# Altium PCB VOU_SOM_CV_V0.0.1.PcbDoc (part 2 of 3) (continued)
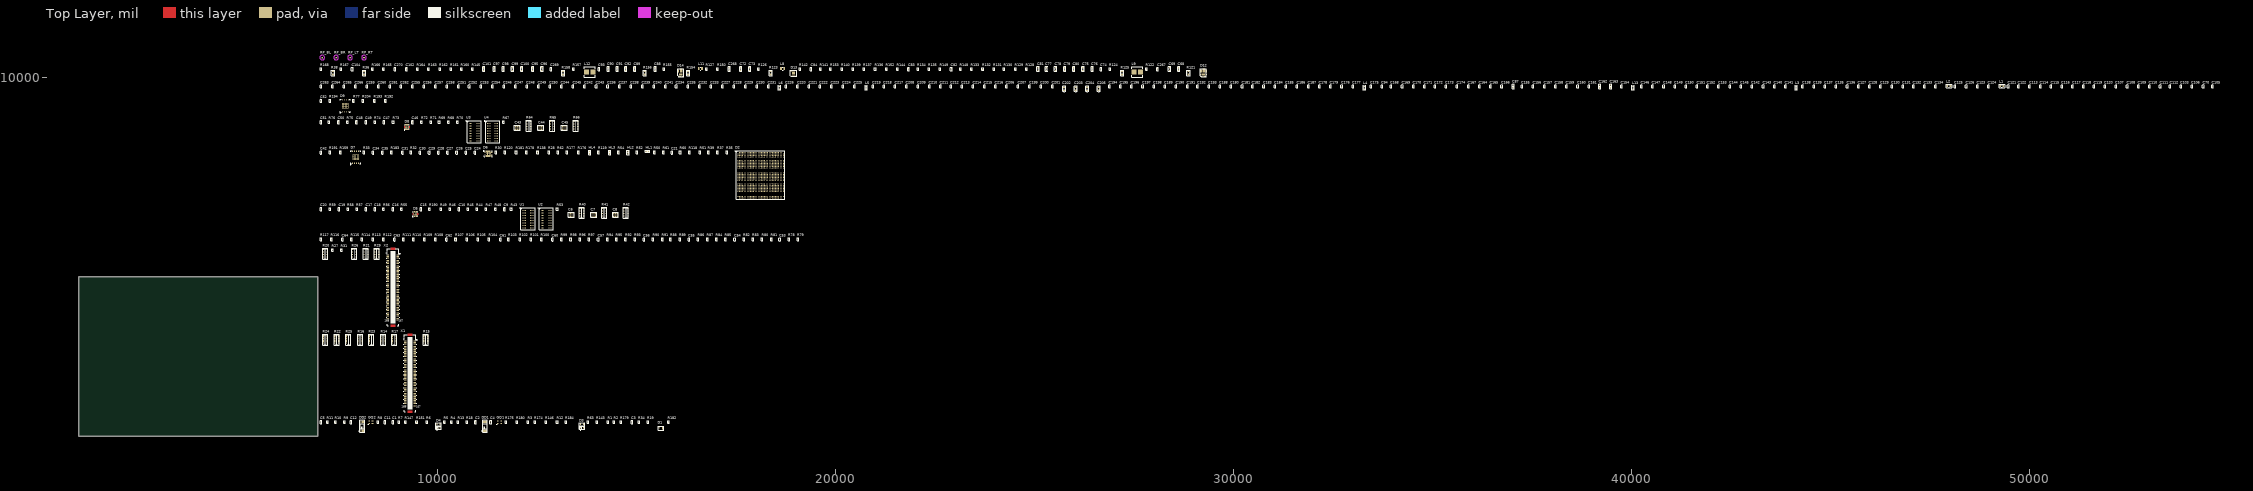
[diagram p0: Top Layer view]
## Footprints (in the part's own frame and the unit in brackets; to place one, negate y for a bottom-side part, rotate by r counter-clockwise, add the part's x,y. Pads: shape width x height; smd on the part's side, far side on the other; paste and mask are expansions set on the pad) (continued)
  Top Layer region: 0.11,1.2 0.11,1.7 0.39,1.7 0.39,1.2
  Top Layer region: -0.11,-1.2 -0.11,-1.7 -0.39,-1.7 -0.39,-1.2
  Top Layer region: 0.11,-1.2 0.11,-1.7 0.39,-1.7 0.39,-1.2
  Top Layer region: -0.11,1.2 -0.11,1.7 -0.39,1.7 -0.39,1.2
  silkscreen extent -2,-1.55 1.55,1.6, body extent -1.5,-1.5 1.5,1.5, height 1
TSSOP-8 [mm] "TSOP, 8-Leads, Body 3.0x4.4mm, Pitch 0.65mm, IPC Medium Density"
  rect 1.7x0.3 smd: 1(-2.85,0.975)
  oval 1.7x0.3 smd: 2(-2.85,0.325) 3(-2.85,-0.325) 4(-2.85,-0.975) 5(2.85,-0.975) 6(2.85,-0.325) 7(2.85,0.325) 8(2.85,0.975)
  silkscreen extent -4,-1.55 4,2.17, body extent -3.2,-1.5 3.2,1.5, height 1.2

## Part data
C1 C2 C3 C4 C5 C9 C10 C11 C12 C15 C16 C17 C18 C19 C20 C21 C24 C25 C26 C27 C28 C29 C30 C31 C34 C35 C42 C46 C47 C48 C49 C50 C51 C52 C53 C54 C55 C56 C57 C60 C61 C62 C63 C64 C70 C74 C82 C83 C84 C93 C94 C102 C103 C104 C105 C106 C107 C108 C109 C110 C111 C112 C113 C114 C115 C116 C117 C118 C119 C120 C121 C122 C123 C124 C125 C126 C127 C128 C129 C130 C131 C132 C133 C134 C135 C136 C137 C138 C139 C140 C141 C142 C143 C144 C145 C146 C147 C148 C149 C150 C151 C152 C153 C154 C155 C156 C157 C158 C159 C160 C161 C164 C165 C166 C167 C168 C169 C170 C171 C172 C173 C174 C175 C176 C177 C178 C179 C180 C181 C182 C183 C184 C185 C186 C187 C188 C189 C190 C191 C192 C193 C194 C195 C196 C197 C198 C199 C200 C201 C206 C207 C208 C209 C210 C211 C212 C213 C214 C215 C216 C217 C218 C219 C220 C221 C222 C223 C224 C225 C226 C227 C228 C229 C230 C231 C232 C233 C234 C235 C236 C237 C238 C239 C240 C241 C242 C243 C244 C245 C246 C247 C248 C249 C250 C251 C252 C253 C254 C255 C256 C257 C258 C259 C260 C261 C262 C263 C264 C265 C266 C267 C269 C270: library part CC0402-X7R-#-20%-10В, "Чип конденсатор керамический"
C6 C7 C8 C43 C44 C45: "Чип конденсатор керамический"
C68 C69 C72 C73 C75 C76 C77 C78 C79 C80 C81 C87 C88 C89 C90 C91 C92 C95 C96 C97 C98 C99 C100 C101 C162 C163 C268: library part CC0603-X5R-#-20%-6,3В, "Чип конденсатор керамический"
C202 C203 C204 C205: library part CC0805-X7R-#-20%-25В, "Чип конденсатор керамический"
D1: library part IC_TI_SN74LVC2G07, "Dual Buffer and Driver With Open-Drain Outputs"
D2: "Cyclone V SX Family FPGA, 1.07 to 1.13 V Supply, 288 I/O Pins, 6 PLLs, 896-Pin FBGA, Speed Grade 7, Industrial Grade, RoHS Compliant"
D3 D4: library part IC_AD_ADM811TARTZ, "Microprocessor Supervisory Circuit in 3-Pin SOT-23"
D5 D8: "Single Output LDO, 3 A, 2.375 to 3.5 V Input, with DDR Termination, 10-pin SON (DRC), -40 to 85 degC, Green (RoHS & no Sb/Br)"
D6: "8-Bit Bidirectional Voltage-Level Translator with Auto Direction Sensing and +/-15-kV ESD Protect, VQFN-20 LARGE T&R"
D7 D9: "512 Mb (x1/x2/x4) Serial NOR Flash Memory with Multi I/O, 108 MHz, 2.7 to 3.6 V, 16-pin SO16 Wide (SF), Tape & Reel"
D12 D14: library part IR3859MPbF, "IC REG BUCK ADJ 9A SYNC 17PQFN"
DD1 DD2: "High-Performance  Clock Buffer 1:4"
GQ1 GQ2: library part OSC-ABRCN-ASE3, "Dual High Side Switch With OC_DET 500mA/CH"
HL1: "Светодиод красный SMD0603"
HL2: "Светодиод желтый SMD0603"
HL3 HL4: "Светодиод зеленый SMD0603"
L1 L2: library part BLM21, "Чип индуктивность подавления EMP"
L3 L4 L5 L6 L13: library part BLM18, "Чип индуктивность подавления EMP"
L8 L11: library part L_VISH_IIHHP1008ABE_1, "FIXED IND 1.5UH 2.4A 96 MOHM SMD"
L9 L12: library part L_VISH_IHLP2525CZERR68M01, "FIXED IND 680NH 15.5A 5.5 MOHM"
R1 R2 R3 R4 R5 R6 R7 R8 R9 R10 R11 R12 R13 R18 R19 R27 R28 R30 R31 R32 R33 R34 R35 R37 R39 R43 R44 R45 R46 R47 R48 R49 R50 R51 R52 R53 R54 R55 R56 R57 R58 R59 R60 R61 R62 R63 R67 R68 R69 R70 R71 R72 R73 R74 R75 R76 R77 R78 R79 R80 R81 R82 R83 R84 R85 R86 R87 R88 R89 R90 R91 R92 R93 R94 R95 R96 R97 R98 R99 R100 R101 R102 R103 R104 R105 R106 R107 R108 R109 R110 R111 R112 R113 R114 R115 R116 R117 R118 R119 R120 R131 R134 R135 R136 R138 R139 R141 R143 R144 R146 R147 R148 R149 R150 R151 R152 R153 R163 R168 R174 R175 R176 R177 R178 R179 R180 R181 R182 R183 R184 R190 R191 R192 R193 R194 R204: library part CR0402-#-±5%, "Чип резистор"
R14 R15 R16 R17 R20 R21 R22 R23 R24 R25 R26 R29 R40 R41 R42 R64 R65 R66: library part YC248-JR-07-#, "Набор чип резисторов"
R36 R38 R121 R123 R125 R154 R156 R158: library part CR0805-#-±5%, "Чип резистор"
R122 R124 R126 R127 R128 R129 R130 R132 R133 R137 R140 R142 R145 R155 R157 R159 R160 R161 R162 R164 R165 R166 R167: library part CR0402-#-±1%, "Чип резистор"
RP_BL RP_BR RP_LT RP_RT: library part Reper, "Стабилизатор положительного напряжения"
U1 U2 U3 U4: "4Gb DDR3-1600 SDRAM, 256Mb x 16, 1.25ns, 1.35V, -40 to 95 degC, 96-Ball FBGA, Pb-Free"

## Via types
v1: diameter 19.68, hole 7.87, Top Layer to Bottom Layer, 38 vias

## Nets (pads, with @x,y where several pads share a name; then routed paths per layer and width w, separated by ;. In a path a pad name is that pad's centre, name@x,y a point inside that pad or via, vN(x,y) a via of type N, cw(c..) or ccw(c..) an arc to the next point about the centre after c; other vN are vias at no path point)
1V1_PEN: D14.15 R135.2
1V1_POK: D14.8 R149.1
1V5_PEN: D13.15 R141.2
1V5_POK: D13.13 R153.1
2V5_PEN: D13.11 R136.2
2V5_POK: D13.1 R152.1
3V3_POK: D12.8 R134.1
CVP_CD: D2.AH29 R51.2
DBG_LED#0: D2.AG27 HL1.2
DBG_LED#1: D2.AJ29 HL2.2
DBG_LED#2: D2.AC28 D2.AE26 HL3.2
DBG_LED#3: D2.AC29 D2.AD7 HL4.2
DDR3_VREF_FPGA: C15.1 C167.1 D2.AJ15 D2.AK17 D5.6 U1.H1 U1.M8 U2.H1 U2.M8
DDR3_VREF_HPS: C46.1 D2.G27 D2.U30 D8.6 U3.H1 U3.M8 U4.H1 U4.M8
DDR3_VTT_FPGA: C6.5 C6.6 C6.7 C6.8 C7.5 C7.6 C7.7 C7.8 C8.5 C8.6 C8.7 C8.8 C17.1 C18.1 D5.3 D5.5 R40.9 R40.10 R40.11 R40.12 R40.13 R40.14 R40.15 R40.16 R41.9 R41.10 R41.11 R41.12 R41.13 R41.14 R41.15 R41.16 R42.9 R42.10 R42.11 R42.12 R42.13 R42.14 R42.15 R42.16
DDR3_VTT_HPS: C43.5 C43.6 C43.7 C43.8 C44.5 C44.6 C44.7 C44.8 C45.5 C45.6 C45.7 C45.8 C48.1 C49.1 D8.3 D8.5 R64.9 R64.10 R64.11 R64.12 R64.13 R64.14 R64.15 R64.16 R65.9 R65.10 R65.11 R65.12 R65.13 R65.14 R65.15 R65.16 R66.9 R66.10 R66.11 R66.12 R66.13 R66.14 R66.15 R66.16
DEV_CLR: D2.AD27 R143.2
EPCQ_CK: D2.U7 D6.7
EPCQ_CK_: D6.14 R191.2
EPCQ_CS#: D2.AB8 D6.6
EPCQ_CS#_: D6.15 D7.1
EPCQ_D0: D2.AE6 D6.1
EPCQ_D0_: D6.20 D7.5
EPCQ_D1: D2.AE5 D6.3
EPCQ_D1_: D6.18 D7.7
EPCQ_D2: D2.AE8 D6.4
EPCQ_D2_: D6.17 D7.3
EPCQ_D3: D2.AC7 D6.5
EPCQ_D3_: D6.16 D7.2
EXT_PEN: R139.1 X1.117
EXT_RST#: R1.1 R146.1 X1.115
FPGA_CFG2V5_IO_0: D2.A4 R29.9
FPGA_CFG2V5_IO_1: D2.A3 R29.10
FPGA_CFG2V5_IO_2: D2.D6 R29.11
FPGA_CFG2V5_IO_3: D2.C5 R29.12
FPGA_CFG2V5_IO_4: D2.D5 R29.13
FPGA_CFG2V5_IO_5: D2.C4 R29.14
FPGA_CFG2V5_IO_6: D2.E8 R29.15
FPGA_CFG2V5_IO_7: D2.D7 R29.16
FPGA_CFG2V5_IO_8: D2.B2 R21.9
FPGA_CFG2V5_IO_9: D2.B1 R21.10
FPGA_CFG2V5_IO_10: D2.C3 R21.11
FPGA_CFG2V5_IO_11: D2.B3 R21.12
FPGA_CFG2V5_IO_12: D2.D2 R21.13
FPGA_CFG2V5_IO_13: D2.C2 R21.14
FPGA_CFG2V5_IO_14: D2.E4 R21.15
FPGA_CFG2V5_IO_15: D2.D4 R21.16
FPGA_CFG2V5_IO_16: D2.E3 R26.9
FPGA_CFG2V5_IO_17: D2.E2 R26.10
FPGA_CFG2V5_IO_18: D2.E1 R26.11
FPGA_CFG2V5_IO_19: D2.D1 R26.12
FPGA_CFG2V5_IO_20: D2.E7 R26.13
FPGA_CFG2V5_IO_21: D2.E6 R26.14
FPGA_CFG2V5_IO_22: D2.G7 R26.15
FPGA_CFG2V5_IO_23: D2.F6 R26.16
FPGA_CFG2V5_IO_24: D2.AF29 R20.8
FPGA_CFG2V5_IO_25: D2.AF30 R20.7
FPGA_CFG2V5_IO_26: D2.AA25 R20.6
FPGA_CFG2V5_IO_27: D2.AB26 R20.5
FPGA_CFG2V5_IO_28: D2.AD11
FPGA_CFG2V5_IO_29: D2.AE12
FPGA_CFG2V5_IO_30: D2.AC9
FPGA_CFG2V5_IO_31: D2.AD10
FPGA_CFG2V5_IO_32: D2.AG1
FPGA_CFG2V5_IO_33: D2.AH2
FPGA_CFG2V5_IO_34: D2.AA12
FPGA_CFG2V5_IO_35: D2.AB12
FPGA_CFG2V5_IO_36: D2.AJ1
FPGA_CFG2V5_IO_37: D2.AJ2
FPGA_CFG2V5_IO_38: D2.AD9
FPGA_CFG2V5_IO_39: D2.AE9
FPGA_CFG2V5_IO_40: D2.AE11
FPGA_CFG2V5_IO_41: D2.AF10
FPGA_CFG2V5_IO_42: D2.AG3
FPGA_CFG2V5_IO_43: D2.AH4
FPGA_CFG2V5_IO_44: D2.AF8
FPGA_CFG2V5_IO_45: D2.AG7
FPGA_CFG2V5_IO_46: D2.AF6
FPGA_CFG2V5_IO_47: D2.AG6
FPGA_CFG2V5_IO_R_0: R29.8 X2.45
FPGA_CFG2V5_IO_R_1: R29.7 X2.47
FPGA_CFG2V5_IO_R_2: R29.6 X2.49
FPGA_CFG2V5_IO_R_3: R29.5 X2.51
FPGA_CFG2V5_IO_R_4: R29.4 X2.55
FPGA_CFG2V5_IO_R_5: R29.3 X2.57
FPGA_CFG2V5_IO_R_6: R29.2 X2.59
FPGA_CFG2V5_IO_R_7: R29.1 X2.61
FPGA_CFG2V5_IO_R_8: R21.8 X2.65
FPGA_CFG2V5_IO_R_9: R21.7 X2.67
FPGA_CFG2V5_IO_R_10: R21.6 X2.69
FPGA_CFG2V5_IO_R_11: R21.5 X2.71
FPGA_CFG2V5_IO_R_12: R21.4 X2.75
FPGA_CFG2V5_IO_R_13: R21.3 X2.77
FPGA_CFG2V5_IO_R_14: R21.2 X2.46
FPGA_CFG2V5_IO_R_15: R21.1 X2.48
FPGA_CFG2V5_IO_R_16: R26.8 X2.50
FPGA_CFG2V5_IO_R_17: R26.7 X2.52
FPGA_CFG2V5_IO_R_18: R26.6 X2.56
FPGA_CFG2V5_IO_R_19: R26.5 X2.58
FPGA_CFG2V5_IO_R_20: R26.4 X2.60
FPGA_CFG2V5_IO_R_21: R26.3 X2.62
FPGA_CFG2V5_IO_R_22: R26.2 X2.66
FPGA_CFG2V5_IO_R_23: R26.1 X2.68
FPGA_CFG2V5_IO_R_24: R20.9 X2.70
FPGA_CFG2V5_IO_R_25: R20.10 X2.72
FPGA_CFG2V5_IO_R_26: R20.11 X2.76
FPGA_CFG2V5_IO_R_27: R20.12 X2.78
FPGA_DDR_A0: D2.AJ14 R40.8 U1.N3 U2.N3
FPGA_DDR_A1: D2.AK14 R40.7 U1.P7 U2.P7
FPGA_DDR_A2: D2.AH12 R40.6 U1.P3 U2.P3
FPGA_DDR_A3: D2.AJ12 R40.5 U1.N2 U2.N2
FPGA_DDR_A4: D2.AG15 R40.4 U1.P8 U2.P8
FPGA_DDR_A5: D2.AH15 R40.3 U1.P2 U2.P2
FPGA_DDR_A6: D2.AK12 R40.2 U1.R8 U2.R8
FPGA_DDR_A7: D2.AK13 R40.1 U1.R2 U2.R2
FPGA_DDR_A8: D2.AH13 R41.7 U1.T8 U2.T8
FPGA_DDR_A9: D2.AH14 R41.8 U1.R3 U2.R3
FPGA_DDR_A10: D2.AJ9 R41.6 U1.L7 U2.L7
FPGA_DDR_A11: D2.AK9 R41.5 U1.R7 U2.R7
FPGA_DDR_A12: D2.AK7 R41.4 U1.N7 U2.N7
FPGA_DDR_A13: D2.AK8 R41.3 U1.T3 U2.T3
FPGA_DDR_A14: D2.AG12 R41.2 U1.T7 U2.T7
FPGA_DDR_BA0: D2.AH10 R41.1 U1.M2 U2.M2
FPGA_DDR_BA1: D2.AJ11 R42.8 U1.N8 U2.N8
FPGA_DDR_BA2: D2.AK11 R42.7 U1.M3 U2.M3
FPGA_DDR_CAS#: D2.AH7 R42.4 U1.K3 U2.K3
FPGA_DDR_CK_H_N: D2.AA15 R53.1 U1.K7 U2.K7
FPGA_DDR_CK_H_P: D2.AA14 R53.2 U1.J7 U2.J7
FPGA_DDR_CKE: D2.AJ21 R42.6 R190.2 U1.K9 U2.K9
FPGA_DDR_CS#: D2.AB15 R42.2 U1.L2 U2.L2
FPGA_DDR_D0: D2.AF18 U2.E3
FPGA_DDR_D1: D2.AE17 U2.F7
FPGA_DDR_D2: D2.AG16 U2.F2
FPGA_DDR_D3: D2.AF16 U2.F8
FPGA_DDR_D4: D2.AH20 U2.H3
FPGA_DDR_D5: D2.AG21 U2.H8
FPGA_DDR_D6: D2.AJ16 U2.G2
FPGA_DDR_D7: D2.AH18 U2.H7
FPGA_DDR_D8: D2.AK18 U2.D7
FPGA_DDR_D9: D2.AJ17 U2.C3
FPGA_DDR_D10: D2.AG18 U2.C8
FPGA_DDR_D11: D2.AK19 U2.C2
FPGA_DDR_D12: D2.AG20 U2.A7
FPGA_DDR_D13: D2.AF19 U2.A2
FPGA_DDR_D14: D2.AJ20 U2.B8
FPGA_DDR_D15: D2.AH24 U2.A3
FPGA_DDR_D16: D2.AE19 U1.E3
FPGA_DDR_D17: D2.AE18 U1.F7
FPGA_DDR_D18: D2.AG22 U1.F2
FPGA_DDR_D19: D2.AK22 U1.F8
FPGA_DDR_D20: D2.AF21 U1.H3
FPGA_DDR_D21: D2.AF20 U1.H8
FPGA_DDR_D22: D2.AH23 U1.G2
FPGA_DDR_D23: D2.AK24 U1.H7
FPGA_DDR_D24: D2.AF24 U1.D7
FPGA_DDR_D25: D2.AF23 U1.C3
FPGA_DDR_D26: D2.AJ24 U1.C8
FPGA_DDR_D27: D2.AK26 U1.C2
FPGA_DDR_D28: D2.AE23 U1.A7
FPGA_DDR_D29: D2.AE22 U1.A2
FPGA_DDR_D30: D2.AG25 U1.B8
FPGA_DDR_D31: D2.AK27 U1.A3
FPGA_DDR_DM0: D2.AH17 U2.E7
FPGA_DDR_DM1: D2.AG23 U2.D3
FPGA_DDR_DM2: D2.AK23 U1.E7
FPGA_DDR_DM3: D2.AJ27 U1.D3
FPGA_DDR_DQS0_N: D2.W16 U2.G3
FPGA_DDR_DQS0_P: D2.V16 U2.F3
FPGA_DDR_DQS1_N: D2.W17 U2.B7
FPGA_DDR_DQS1_P: D2.V17 U2.C7
FPGA_DDR_DQS2_N: D2.AA18 U1.G3
FPGA_DDR_DQS2_P: D2.Y17 U1.F3
FPGA_DDR_DQS3_N: D2.AD19 U1.B7
FPGA_DDR_DQS3_P: D2.AC20 U1.C7
FPGA_DDR_ODT: D2.AE16 R42.1 U1.K1 U2.K1
FPGA_DDR_RAS#: D2.AH8 R42.3 U1.J3 U2.J3
FPGA_DDR_RST#: D2.AK21 R49.2 U1.T2 U2.T2
FPGA_DDR_WE#: D2.AJ6 R42.5 U1.L3 U2.L3
GND: C6.1 C6.2 C6.3 C6.4 C7.1 C7.2 C7.3 C7.4 C8.1 C8.2 C8.3 C8.4 C15.2 C16.2 C17.2 C18.2 C19.2 C20.2 C34.1 C35.1 C42.1 C43.1 C43.2 C43.3 C43.4 C44.1 C44.2 C44.3 C44.4 C45.1 C45.2 C45.3 C45.4 C46.2 C47.2 C48.2 C49.2 C50.2 C51.2 C52.1 C53.1 C54.1 C55.1 C56.1 C57.1 C60.1 C61.1 C62.1 C63.1 C64.1 C68.2 C69.2 C70.1 C72.2 C73.2 C75.2 C76.2 C77.2 C78.2 C79.2 C80.2 C81.1 C87.2 C88.2 C89.2 C90.2 C91.2 C92.2 C94.2 C95.2 C96.2 C97.2 C98.2 C99.2 C100.2 C101.1 C103.1 C105.1 C106.1 C107.1 C108.1 C109.1 C110.1 C111.1 C112.2 C113.1 C114.1 C115.1 C116.1 C117.1 C118.1 C119.1 C120.1 C121.1 C122.1 C123.1 C124.1 C125.1 C126.1 C127.1 C128.1 C129.1 C130.1 C131.1 C132.1 C133.1 C134.1 C135.1 C136.1 C137.2 C138.1 C139.1 C140.1 C141.1 C142.1 C143.1 C144.1 C145.1 C146.1 C147.1 C148.1 C149.1 C150.1 C151.1 C152.1 C153.1 C154.2 C155.1 C156.1 C157.1 C158.1 C159.1 C160.1 C161.1 C162.2 C163.2 C164.1 C165.1 C166.1 C167.2 C168.2 C169.2 C170.2 C171.2 C172.2 C173.2 C174.2 C175.2 C176.1 C177.1 C178.1 C179.1 C180.2 C181.2 C182.2 C183.2 C184.2 C185.2 C186.2 C187.2 C188.2 C189.2 C190.2 C191.2 C192.2 C193.2 C194.1 C195.1 C196.1 C197.1 C198.1 C199.1 C200.1 C201.1 C202.2 C203.2 C204.2 C205.2 C206.1 C207.1 C208.1 C209.1 C210.1 C211.1 C212.1 C213.1 C214.1 C215.1 C216.1 C217.1 C218.1 C219.1 C220.1 C221.1 C222.1 C223.1 C224.1 C225.1 C226.1 C227.2 C228.2 C230.1 C231.1 C232.1 C233.1 C234.1 C235.1 C236.1 C237.1 C238.1 C239.1 C240.1 C241.1 C242.1 C243.1 C244.1 C245.1 C246.2 C247.2 C249.1 C250.1 C251.1 C252.1 C253.1 C254.1 C255.1 C256.1 C257.1 C258.1 C259.1 C260.1 C261.1 C262.1 C263.1 C264.1 C265.1 C266.1 C268.2 D2.A2 D2.A12 D2.A17 D2.A22 D2.A26 D2.A27 D2.AA3 D2.AA4 D2.AA6 D2.AA9 D2.AA11 D2.AA22 D2.AA29 D2.AB1 D2.AB2 D2.AB5 D2.AB7 D2.AB19 D2.AB27 D2.AB29 D2.AC3 D2.AC4 D2.AC6 D2.AC8 D2.AC16 D2.AC24 D2.AC26 D2.AD1 D2.AD2 D2.AD5 D2.AD6 D2.AD23 D2.AE3 D2.AE4 D2.AE10 D2.AE20 D2.AF1 D2.AF2 D2.AF3 D2.AF12 D2.AF15 D2.AF17 D2.AF27 D2.AG9 D2.AG14 D2.AG24 D2.AH1 D2.AH6 D2.AH11 D2.AH21 D2.AH28 D2.AJ3 D2.AJ7 D2.AJ10 D2.AJ18 D2.AJ22 D2.AJ28 D2.AJ30 D2.AK5 D2.AK15 D2.AK25 D2.B9 D2.B10 D2.B14 D2.B19 D2.B24 D2.B29 D2.C1 D2.C6 D2.C16 D2.C21 D2.C26 D2.D3 D2.D13 D2.D23 D2.D26 D2.E10 D2.E22 D2.E25 D2.E30 D2.F2 D2.F5 D2.F7 D2.F17 D2.F27 D2.G3 D2.G4 D2.G5 D2.G24 D2.H1 D2.H2 D2.H5 D2.H11 D2.J3 D2.J4 D2.J6 D2.J8 D2.J18 D2.J22 D2.J28 D2.K1 D2.K2 D2.K5 D2.K10 D2.K15 D2.K20 D2.K25 D2.L3 D2.L4 D2.L6 D2.L11 D2.L13 D2.L15 D2.L17 D2.L19 D2.L22 D2.M1 D2.M2 D2.M5 D2.M7 D2.M8 D2.M10 D2.M12 D2.M14 D2.M16 D2.M18 D2.M20 D2.M29 D2.N3 D2.N4 D2.N6 D2.N8 D2.N9 D2.N11 D2.N13 D2.N15 D2.N17 D2.N19 D2.N26 D2.P1 D2.P2 D2.P5 D2.P7 D2.P10 D2.P12 D2.P14 D2.P16 D2.P18 D2.P20 D2.R3 D2.R4 D2.R6 D2.R8 D2.R9 D2.R11 D2.R13 D2.R15 D2.R17 D2.R30 D2.T1 D2.T2 D2.T5 D2.T7 D2.T10 D2.T12 D2.T14 D2.T15 D2.T16 D2.T18 D2.T20 D2.T27 D2.U3 D2.U4 D2.U6 D2.U9 D2.U11 D2.U13 D2.U15 D2.U17 D2.U22 D2.U24 D2.U29 D2.V1 D2.V2 D2.V5 D2.V7 D2.V10 D2.V12 D2.V14 D2.V19 D2.V21 D2.W3 D2.W4 D2.W6 D2.W9 D2.W11 D2.W13 D2.W18 D2.W28 D2.Y1 D2.Y2 D2.Y5 D2.Y7 D2.Y8 D2.Y10 D2.Y12 D2.Y14 D2.Y15 D2.Y20 D2.Y25 D2.Y30 D5.4 D5.8 D5.11 D6.11 D7.4 D8.4 D8.8 D8.11 D9.4 D12.11 D13.14 D14.11 R28.1 R30.1 R32.1 R33.1 R44.2 R46.2 R47.2 R48.2 R57.2 R59.1 R61.2 R62.1 R68.2 R69.1 R70.2 R72.1 R76.1 R124.1 R127.1 R138.1 R150.1 R157.1 R159.2 R163.1 R168.1 R190.1 U1.A9 U1.B1 U1.B3 U1.B9 U1.D1 U1.D8 U1.E1 U1.E2 U1.E8 U1.F9 U1.G1 U1.G8 U1.G9 U1.J2 U1.J8 U1.M1 U1.M9 U1.P1 U1.P9 U1.T1 U1.T9 U2.A9 U2.B1 U2.B3 U2.B9 U2.D1 U2.D8 U2.E1 U2.E2 U2.E8 U2.F9 U2.G1 U2.G8 U2.G9 U2.J2 U2.J8 U2.M1 U2.M9 U2.P1 U2.P9 U2.T1 U2.T9 U3.A9 U3.B1 U3.B3 U3.B9 U3.D1 U3.D8 U3.E1 U3.E2 U3.E8 U3.F9 U3.G1 U3.G8 U3.G9 U3.J2 U3.J8 U3.M1 U3.M9 U3.P1 U3.P9 U3.T1 U3.T9 U4.A9 U4.B1 U4.B3 U4.B9 U4.D1 U4.D8 U4.E1 U4.E2 U4.E8 U4.F9 U4.G1 U4.G8 U4.G9 U4.J2 U4.J8 U4.M1 U4.M9 U4.P1 U4.P9 U4.T1 U4.T9 X1.8 X1.9 X1.12 X1.13 X1.16 X1.17 X1.20 X1.21 X1.24 X1.25 X1.28 X1.29 X1.32 X1.33 X1.36 X1.37 X1.40 X1.41 X1.44 X1.45 X1.48 X1.49 X1.75 X1.76 X1.85 X1.86 X1.95 X1.96 X1.97 X1.101 X1.105 X1.109 X1.113 X1.120 X1.121 X1.146 X1.151 X2.1 X2.4 X2.5 X2.8 X2.9 X2.12 X2.13 X2.16 X2.17 X2.20 X2.21 X2.24 X2.25 X2.28 X2.29 X2.32 X2.33 X2.36 X2.37 X2.40 X2.41 X2.44 X2.87 X2.91 X2.95 X2.99 X2.103 X2.107 X2.111 X2.115 X2.119 X2.123 X2.127 X2.131 X2.135 X2.139 X2.143 X2.147 X2.151 X2.155 X2.159 X2.163 X2.167
  other v1: 9435.31,6560.31 9474.68,6560.31 9435.31,6599.69 9474.68,6599.69 9225.31,8745.31 9264.68,8745.31 9225.31,8784.68 9264.68,8784.68
GND_A: C82.1 D12.4 D12.17 R132.2 R140.1 R142.1 R150.2
GND_B: C102.1 D14.4 D14.17 R162.2 R166.1 R167.1 R168.2
GND_D: D13.4 D13.8 D13.17 R163.2
GXB_REF_CKI_N: D2.T8 X2.120
GXB_REF_CKI_P: D2.T9 X2.124
GXB_REF_CKO_N: D2.W7 X2.121
GXB_REF_CKO_P: D2.W8 X2.125
GXB_RXA0_N: D2.U1 X2.88
GXB_RXA0_P: D2.U2 X2.92
GXB_RXA1_N: D2.R1 X2.96
GXB_RXA1_P: D2.R2 X2.100
GXB_RXA2_N: D2.N1 X2.104
GXB_RXA2_P: D2.N2 X2.108
GXB_RXA3_N: D2.L1 X2.112
GXB_RXA3_P: D2.L2 X2.116
GXB_TXA0_N: C25.2 X2.89
GXB_TXA0_P: C24.2 X2.93
GXB_TXA1_N: C27.2 X2.97
GXB_TXA1_P: C26.2 X2.101
GXB_TXA2_N: C29.2 X2.105
GXB_TXA2_P: C28.2 X2.109
GXB_TXA3_N: C31.2 X2.113
GXB_TXA3_P: C30.2 X2.117
GXB_TXA_C0_N: C25.1 D2.AD3
GXB_TXA_C0_P: C24.1 D2.AD4
GXB_TXA_C1_N: C27.1 D2.AB3
GXB_TXA_C1_P: C26.1 D2.AB4
GXB_TXA_C2_N: C29.1 D2.Y3
GXB_TXA_C2_P: C28.1 D2.Y4
GXB_TXA_C3_N: C31.1 D2.V3
GXB_TXA_C3_P: C30.1 D2.V4
HPS_BSL0: D2.A18 D2.H20 D9.1 R16.11 R63.2 R175.2 R180.1
HPS_BSL2: D2.D20 R174.2
HPS_CAN0_RX: D2.B22 R22.11
HPS_CAN0_RX_R: R22.6 X1.71
HPS_CAN0_TX: D2.G22 R22.12
HPS_CAN0_TX_R: R22.5 X1.73
HPS_CAN1_RX: D2.A24 R22.13
HPS_CAN1_RX_R: R22.4 X1.72
HPS_CAN1_TX: D2.G21 R22.14
HPS_CAN1_TX_R: R22.3 X1.74
HPS_CLK_25_1: D2.D25 R9.2
HPS_CLK_25_2: D2.F25 R10.2
HPS_DDR_A0: D2.F26 R64.8 U3.N3 U4.N3
HPS_DDR_A1: D2.G30 R64.7 U3.P7 U4.P7
HPS_DDR_A2: D2.F28 R64.6 U3.P3 U4.P3
HPS_DDR_A3: D2.F30 R64.5 U3.N2 U4.N2
HPS_DDR_A4: D2.J25 R64.4 U3.P8 U4.P8
HPS_DDR_A5: D2.J27 R64.3 U3.P2 U4.P2
HPS_DDR_A6: D2.F29 R64.2 U3.R8 U4.R8
HPS_DDR_A7: D2.E28 R64.1 U3.R2 U4.R2
HPS_DDR_A8: D2.G26 R65.7 U3.T8 U4.T8
HPS_DDR_A9: D2.H27 R65.8 U3.R3 U4.R3
HPS_DDR_A10: D2.D29 R65.6 U3.L7 U4.L7
HPS_DDR_A11: D2.C30 R65.5 U3.R7 U4.R7
HPS_DDR_A12: D2.B30 R65.4 U3.N7 U4.N7
HPS_DDR_A13: D2.C29 R65.3 U3.T3 U4.T3
HPS_DDR_A14: D2.H25 R65.2 U3.T7 U4.T7
HPS_DDR_BA0: D2.E29 R65.1 U3.M2 U4.M2
HPS_DDR_BA1: D2.J24 R66.8 U3.N8 U4.N8
HPS_DDR_BA2: D2.J23 R66.7 U3.M3 U4.M3
HPS_DDR_CAS#: D2.E27 R66.4 U3.K3 U4.K3
HPS_DDR_CK_H_N: D2.L23 R67.1 U3.K7 U4.K7
HPS_DDR_CK_H_P: D2.M23 R67.2 U3.J7 U4.J7
HPS_DDR_CKE: D2.L29 R66.6 R72.2 U3.K9 U4.K9
HPS_DDR_CS#: D2.H24 R66.2 U3.L2 U4.L2
HPS_DDR_D0: D2.K23 U4.E3
HPS_DDR_D1: D2.K22 U4.F7
HPS_DDR_D2: D2.H30 U4.F2
HPS_DDR_D3: D2.G28 U4.F8
HPS_DDR_D4: D2.L25 U4.H3
HPS_DDR_D5: D2.L24 U4.H8
HPS_DDR_D6: D2.J30 U4.G2
HPS_DDR_D7: D2.J29 U4.H7
HPS_DDR_D8: D2.K26 U4.D7
HPS_DDR_D9: D2.L26 U4.C3
HPS_DDR_D10: D2.K29 U4.C8
HPS_DDR_D11: D2.K27 U4.C2
HPS_DDR_D12: D2.M26 U4.A7
HPS_DDR_D13: D2.M27 U4.A2
HPS_DDR_D14: D2.L28 U4.B8
HPS_DDR_D15: D2.M30 U4.A3
HPS_DDR_D16: D2.U26 U3.E3
HPS_DDR_D17: D2.T26 U3.F7
HPS_DDR_D18: D2.N29 U3.F2
HPS_DDR_D19: D2.N28 U3.F8
HPS_DDR_D20: D2.P26 U3.H3
HPS_DDR_D21: D2.P27 U3.H8
HPS_DDR_D22: D2.N27 U3.G2
HPS_DDR_D23: D2.R29 U3.H7
HPS_DDR_D24: D2.P24 U3.D7
HPS_DDR_D25: D2.P25 U3.C3
HPS_DDR_D26: D2.T29 U3.C8
HPS_DDR_D27: D2.T28 U3.C2
HPS_DDR_D28: D2.R27 U3.A7
HPS_DDR_D29: D2.R26 U3.A2
HPS_DDR_D30: D2.V30 U3.B8
HPS_DDR_D31: D2.W29 U3.A3
HPS_DDR_DM0: D2.K28 U4.E7
HPS_DDR_DM1: D2.M28 U4.D3
HPS_DDR_DM2: D2.R28 U3.E7
HPS_DDR_DM3: D2.W30 U3.D3
HPS_DDR_DQS0_N: D2.M19 U4.G3
HPS_DDR_DQS0_P: D2.N18 U4.F3
HPS_DDR_DQS1_N: D2.N24 U4.B7
HPS_DDR_DQS1_P: D2.N25 U4.C7
HPS_DDR_DQS2_N: D2.R18 U3.G3
HPS_DDR_DQS2_P: D2.R19 U3.F3
HPS_DDR_DQS3_N: D2.R21 U3.B7
HPS_DDR_DQS3_P: D2.R22 U3.C7
HPS_DDR_ODT: D2.H28 R66.1 U3.K1 U4.K1
HPS_DDR_RAS#: D2.D30 R66.3 U3.J3 U4.J3
HPS_DDR_RST#: D2.P30 R71.2 U3.T2 U4.T2
HPS_DDR_WE#: D2.C28 R66.5 U3.L3 U4.L3
HPS_FLASH_D0: D2.C20 D9.5
HPS_FLASH_D1: D2.H18 D9.2
HPS_FLASH_D2: D2.A19 D9.3
HPS_FLASH_D3: D2.E19 D9.7
HPS_FLASH_DCLK: D2.D19 R194.2
HPS_GPIO0: D2.C19 R25.11
HPS_GPIO0_R: R25.6 X1.106
HPS_GPIO1: D2.B17 R25.12
HPS_GPIO1_R: R25.5 X1.153
HPS_GPIO2: D2.H17 R25.13
HPS_GPIO2_R: R25.4 X1.155
HPS_GPIO3: D2.C18 R25.14
HPS_GPIO3_R: R25.3 X1.157
HPS_GPIO4: D2.G17 R25.15
HPS_GPIO4_R: R25.2 X1.159
HPS_GPIO5: D2.E18 R25.16
HPS_GPIO5_R: R25.1 X1.148
HPS_GPIO6: D2.E17 R24.9
HPS_GPIO6_R: R24.8 X1.150
HPS_GPIO7: D2.B26 R24.10
HPS_GPIO7_R: R24.7 X1.152
HPS_GPIO8: D2.E24 R24.11
HPS_GPIO8_R: R24.6 X1.154
HPS_GPIO9: D2.D24 R24.12
HPS_GPIO9_R: R24.5 X1.156
HPS_GPIO10: D2.F16 R24.13
HPS_GPIO10_R: R24.4 X1.158
HPS_GPIO11: D2.B15 R24.14
HPS_GPIO11_R: R24.3 X1.160
HPS_I2C0_CL: D2.E23 R16.16 R22.10
HPS_I2C0_CL_R: R16.1 R22.7 X1.66 X1.69
HPS_I2C0_DA: D2.C24 R16.15 R22.9
HPS_I2C0_DA_R: R16.2 R22.8 X1.64 X1.67
HPS_I2C1_CL: D2.H23 R22.16
HPS_I2C1_CL_R: R22.1 X1.70
HPS_I2C1_DA: D2.A25 R22.15
HPS_I2C1_DA_R: R22.2 X1.68
HPS_JTAG_TCK: D2.H22 X1.110
HPS_JTAG_TDI: D2.B27 R193.2 X1.114
HPS_JTAG_TDO: D2.B28 X1.112
HPS_JTAG_TMS: D2.A29 R192.2 X1.108
HPS_SD_CLK: D2.A16 R14.14
HPS_SD_CLK_R: R14.3 X1.61
HPS_SD_CMD: D2.F18 R14.13
HPS_SD_CMD_R: R14.4 X1.59
HPS_SD_D0: D2.G18 R14.9
HPS_SD_D0_R: R14.8 X1.51
HPS_SD_D1: D2.C17 R14.10
HPS_SD_D1_R: R14.7 X1.53
HPS_SD_D2: D2.D17 R14.11
HPS_SD_D2_R: R14.6 X1.55
HPS_SD_D3: D2.B16 R14.12
HPS_SD_D3_R: R14.5 X1.57
HPS_SPI_CS#_R: R16.6 X1.56
HPS_SPI_MISO: D2.B23 R16.12
HPS_SPI_MISO_R: R16.5 X1.58
HPS_SPI_MOSI: D2.C22 R16.13
HPS_SPI_MOSI_R: R16.4 X1.60
HPS_SPI_SCK: D2.A23 R16.14
HPS_SPI_SCK_R: R16.3 X1.62
HPS_UART0_RX: D2.B25 R14.16
HPS_UART0_RX_R: R14.1 X1.65
HPS_UART0_TX: D2.C25 R14.15
HPS_UART0_TX_R: R14.2 X1.63
HPS_UART1_RX: D2.C23 R16.10
HPS_UART1_RX_R: R16.7 X1.54
HPS_UART1_TX: D2.D22 R16.9
HPS_UART1_TX_R: R16.8 X1.52
HPS_USB_CKO: D2.N16 R23.15
HPS_USB_CKO_R: R23.2 X1.138
HPS_USB_D0: D2.E16 R17.15
HPS_USB_D0_R: R17.2 X1.122
HPS_USB_D1: D2.G16 R17.16
HPS_USB_D1_R: R17.1 X1.124
HPS_USB_D2: D2.D16 R23.9
HPS_USB_D2_R: R23.8 X1.126
HPS_USB_D3: D2.D14 R23.10
HPS_USB_D3_R: R23.7 X1.128
HPS_USB_D4: D2.A15 R23.11
HPS_USB_D4_R: R23.6 X1.130
HPS_USB_D5: D2.C14 R23.12
HPS_USB_D5_R: R23.5 X1.132
HPS_USB_D6: D2.D15 R23.13
HPS_USB_D6_R: R23.4 X1.134
HPS_USB_D7: D2.M17 R23.14
HPS_USB_D7_R: R23.3 X1.136
HPS_USB_DIR: D2.E14 R25.9
HPS_USB_DIR_R: R25.8 X1.142
HPS_USB_NXT: D2.A14 R25.10
HPS_USB_NXT_R: R25.7 X1.144
HPS_USB_STP: D2.C15 R23.16
HPS_USB_STP_R: R23.1 X1.140
HPS_WRST#: D2.C27 R151.2
INIT_DONE: D2.AD25 R118.2
LVDS0_CKI_N: D2.Y16 X2.35
LVDS0_CKI_P: D2.W15 X2.39
LVDS0_CKO_N: D2.A10 X2.10
LVDS0_CKO_P: D2.A11 X2.6
LVDS0_RX0_N: D2.AG11 X2.3
LVDS0_RX0_P: D2.AF11 X2.7
LVDS0_RX1_N: D2.AB13 X2.11
LVDS0_RX1_P: D2.AA13 X2.15
LVDS0_RX2_N: D2.AF13 X2.19
LVDS0_RX2_P: D2.AE13 X2.23
LVDS0_RX3_N: D2.AE14 X2.27
LVDS0_RX3_P: D2.AD14 X2.31
LVDS0_TX0_N: D2.A8 X2.18
LVDS0_TX0_P: D2.A9 X2.14
LVDS0_TX1_N: D2.B8 X2.26
LVDS0_TX1_P: D2.C8 X2.22
LVDS0_TX2_N: D2.B7 X2.34
LVDS0_TX2_P: D2.C7 X2.30
LVDS0_TX3_N: D2.A5 X2.42
LVDS0_TX3_P: D2.A6 X2.38
LVDS1_CKI_N: D2.Y27 X1.39
LVDS1_CKI_P: D2.Y26 X1.35
LVDS1_CKO_N: D2.AD29 X1.38
LVDS1_CKO_P: D2.AE29 X1.34
LVDS1_RX0_N: D2.AC27 X1.47
LVDS1_RX0_P: D2.AD26 X1.43
LVDS1_RX1_N: D2.Y21 X1.11
LVDS1_RX1_P: D2.W20 X1.15
LVDS1_RX2_N: D2.AB23 X1.19
LVDS1_RX2_P: D2.AB22 X1.23
LVDS1_RX3_N: D2.AB25 X1.27
LVDS1_RX3_P: D2.AA24 X1.31
LVDS1_TX0_N: D2.AA28 X1.46
LVDS1_TX0_P: D2.AB28 X1.42
LVDS1_TX1_N: D2.AC30 X1.30
LVDS1_TX1_P: D2.AD30 X1.26
LVDS1_TX2_N: D2.AF28 X1.22
LVDS1_TX2_P: D2.AG28 X1.18
LVDS1_TX3_N: D2.AG30 X1.14
LVDS1_TX3_P: D2.AH30 X1.10
MAIN_POK: R144.2 X1.118
MIPI_CSI-2_A_CK24_2V5: D2.B13 R31.2
MIPI_CSI-2_A_I2C_CL_2V5: D2.B11 R20.16
MIPI_CSI-2_A_I2C_CL_R_2V5: R20.1 X2.84
MIPI_CSI-2_A_I2C_DA_2V5: D2.C12 R20.15
MIPI_CSI-2_A_I2C_DA_R_2V5: R20.2 X2.80
MIPI_CSI-2_B_CK24_2V5: D2.A13 R27.1
MIPI_CSI-2_B_I2C_CL_2V5: D2.C9 R20.14
MIPI_CSI-2_B_I2C_CL_R_2V5: R20.3 X2.83
MIPI_CSI-2_B_I2C_DA_2V5: D2.C10 R20.13
MIPI_CSI-2_B_I2C_DA_R_2V5: R20.4 X2.79
MIPI_CSI_CKA_HS_N: D2.G15 R96.2 R97.2 X2.160
MIPI_CSI_CKA_HS_P: D2.H15 R94.2 R95.1 X2.164
MIPI_CSI_CKA_LP_N: D2.G13 R96.1
MIPI_CSI_CKA_LP_P: D2.H14 R94.1
MIPI_CSI_CKB_HS_N: D2.J14 R116.2 R117.2 X2.133
MIPI_CSI_CKB_HS_P: D2.K14 R114.2 R115.1 X2.129
MIPI_CSI_CKB_LP_N: D2.B5 R117.1
MIPI_CSI_CKB_LP_P: D2.B6 R114.1
MIPI_CSI_DA0_HS_N: D2.F14 R80.2 R81.2 X2.128
MIPI_CSI_DA0_HS_P: D2.F15 R78.2 R79.1 X2.132
MIPI_CSI_DA0_LP_N: D2.G11 R80.1
MIPI_CSI_DA0_LP_P: D2.G12 R78.1
MIPI_CSI_DA1_HS_N: D2.E13 R84.2 R85.2 X2.136
MIPI_CSI_DA1_HS_P: D2.F13 R82.2 R83.1 X2.140
MIPI_CSI_DA1_LP_N: D2.F10 R84.1
MIPI_CSI_DA1_LP_P: D2.G10 R82.1
MIPI_CSI_DA2_HS_N: D2.D12 R88.2 R89.2 X2.144
MIPI_CSI_DA2_HS_P: D2.E12 R86.2 R87.1 X2.148
MIPI_CSI_DA2_LP_N: D2.E11 R88.1
MIPI_CSI_DA2_LP_P: D2.F11 R86.1
MIPI_CSI_DA3_HS_N: D2.B12 R92.2 R93.2 X2.152
MIPI_CSI_DA3_HS_P: D2.C13 R90.2 R91.1 X2.156
MIPI_CSI_DA3_LP_N: D2.D10 R92.1
MIPI_CSI_DA3_LP_P: D2.D11 R90.1
MIPI_CSI_DB0_HS_N: D2.K8 R100.2 R101.2 X2.141
MIPI_CSI_DB0_HS_P: D2.K7 R98.2 R99.1 X2.137
MIPI_CSI_DB0_LP_N: D2.H7 R101.1
MIPI_CSI_DB0_LP_P: D2.J7 R98.1
MIPI_CSI_DB1_HS_N: D2.J9 R104.2 R105.2 X2.149
MIPI_CSI_DB1_HS_P: D2.J10 R102.2 R103.1 X2.145
MIPI_CSI_DB1_LP_N: D2.G8 R105.1
MIPI_CSI_DB1_LP_P: D2.H8 R102.1
MIPI_CSI_DB2_HS_N: D2.J12 R108.2 R109.2 X2.157
MIPI_CSI_DB2_HS_P: D2.K12 R106.2 R107.1 X2.153
MIPI_CSI_DB2_LP_N: D2.F8 R109.1
MIPI_CSI_DB2_LP_P: D2.F9 R106.1
MIPI_CSI_DB3_HS_N: D2.H12 R112.2 R113.2 X2.165
MIPI_CSI_DB3_HS_P: D2.H13 R110.2 R111.1 X2.161
MIPI_CSI_DB3_LP_N: D2.D9 R113.1
MIPI_CSI_DB3_LP_P: D2.E9 R110.1
MSEL0: C1.2 C2.1 C3.1 C4.1 C5.2 C11.1 C12.1 D1.2 D2.G6 D2.L7 D2.L8 D3.1 D4.1 DD1.4 DD2.4 GQ1.2 GQ2.2 R180.2
MSEL1: D2.K6 R179.1
MSEL4: D2.L9 R184.1
N_FPGA_RST_O: D1.1 D2.AE27 R182.1
N_PERST0: D6.13 X1.107
N_PERST0_2V5: D2.W21 D6.8
N_PERST1: D6.12 X1.119
N_PERST1_2V5: D2.W22 D6.9
N_RST_O: R19.2 R34.2 X1.116
NetC9_1: C9.1 R4.2
NetC10_1: C10.1 R5.2
NetC20_1: C20.1 D5.1 R58.2 R59.2
NetC21_1: C21.1 R6.2
NetC51_1: C51.1 D8.1 R75.2 R76.2
NetC53_2: C53.2 R79.2 R81.1
NetC54_2: C54.2 R83.2 R85.1
NetC55_2: C55.2 R87.2 R89.1
NetC56_2: C56.2 R91.2 R93.1
NetC57_2: C57.2 R95.2 R97.1
NetC60_2: C60.2 R99.2 R100.1
NetC61_2: C61.2 R103.2 R104.1
NetC62_2: C62.2 R107.2 R108.1
NetC63_2: C63.2 R111.2 R112.1
NetC64_2: C64.2 R115.2 R116.1
NetC72_1: C72.1 C73.1 L8.2 R123.1 R126.2
NetC74_1: C74.1 R133.1
NetC74_2: C74.2 C77.1 C78.1 L9.2 R121.1 R125.1 R128.2 R130.2
NetC81_2: C81.2 D12.10 D12.16
NetC82_2: C82.2 D12.6
NetC83_1: C83.1 C84.2 D12.3
NetC83_2: C83.2 R137.2
NetC84_1: C84.1 D12.1 R130.1 R133.2 R137.1 R140.2
NetC91_1: C91.1 C92.1 L11.2 R154.1 R155.2
NetC93_1: C93.1 D14.14
NetC93_2: C93.2 D14.12 L12.1 R145.1
NetC97_1: C97.1 C98.1 C269.2 L12.2 R156.1 R158.1 R160.2 R161.2
NetC101_2: C101.2 D14.10 D14.16
NetC102_2: C102.2 D14.6
NetC104_1: C104.1 D14.1 R161.1 R164.2 R165.1 R166.2
NetC104_2: C104.2 C270.1 D14.3
NetC267_1: C267.1 D12.14
NetC267_2: C267.2 D12.12 L9.1 R129.1
NetC269_1: C269.1 R164.1
NetC270_2: C270.2 R165.2